# Altium PCB FSAES-22-E17 Temp Module PCB.PcbDoc (part 2 of 3)
Units mil, origin at the board's own origin, x right, y up, seen from the top; angles counter-clockwise.
Board outline 6776.17 x 2481.98 mil, 4 copper layers (Top Layer, Int 1 (GND), Int 2 (PWR), Bottom Layer), stack 53.912 mil thick; 312 components, 228 nets, 920 pads, 763 vias.
Unrouted connection lines stored in the file: 6.
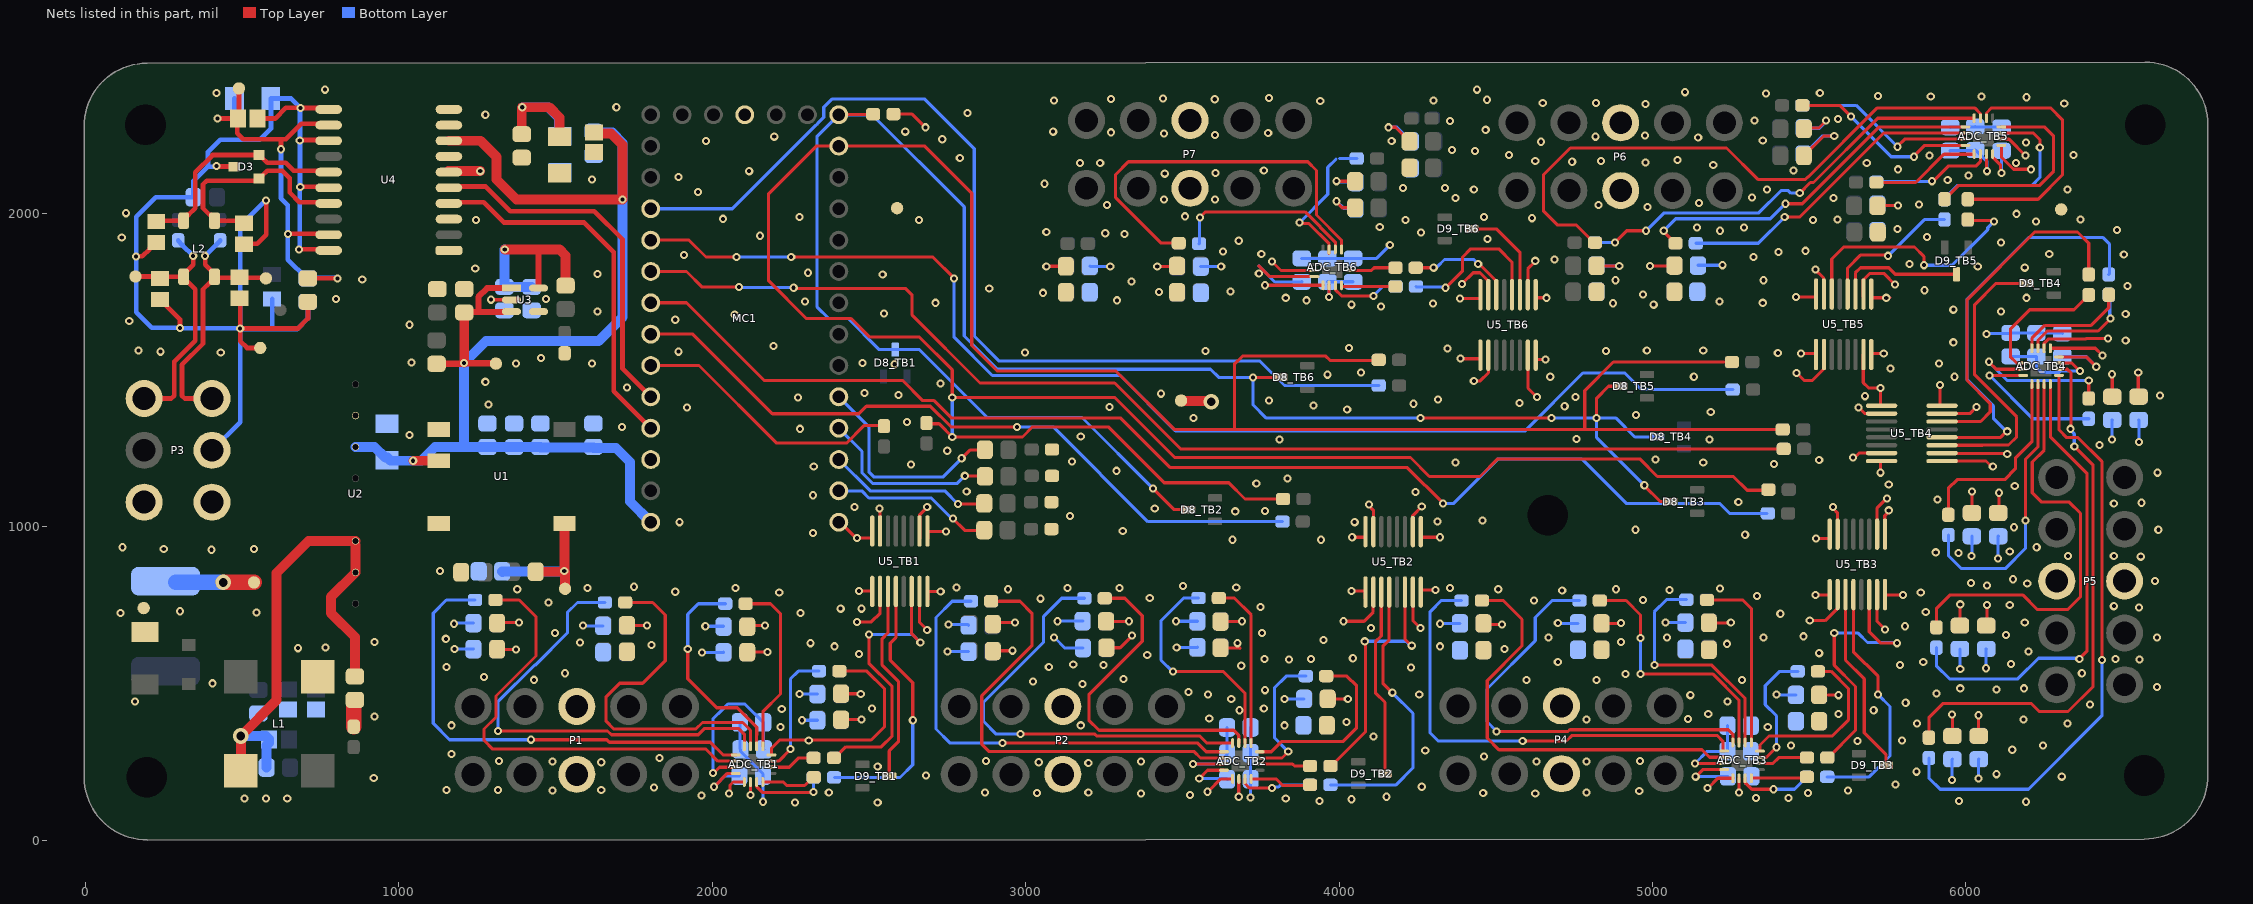
[diagram p4: the nets of this part, all layers, seen from the top]

## Via types
v1: diameter 25.98, hole 12.99, Top Layer to Bottom Layer, tented both sides, 606 vias
v2: diameter 25.98, hole 12.99, Top Layer to Bottom Layer, 151 vias
v3: diameter 50, hole 28, Top Layer to Bottom Layer, tented both sides, 6 vias

## Nets (pads, with @x,y where several pads share a name; then routed paths per layer and width w, separated by ;. In a path a pad name is that pad's centre, name@x,y a point inside that pad or via, vN(x,y) a via of type N, cw(c..) or ccw(c..) an arc to the next point about the centre after c; other vN are vias at no path point) (continued)
"0V (TMP)": "0V (TMP).1" ADC_TB1.9 ADC_TB2.9 ADC_TB3.9 ADC_TB4.9 ADC_TB5.9 ADC_TB6.9 C2.2 C29_TB1.2 C29_TB2.2 C29_TB3.2 C29_TB4.2 C29_TB5.2 C29_TB6.2 C30_TB1.2 C30_TB2.2 C30_TB3.2 C30_TB4.2 C30_TB5.2 C30_TB6.2 C31_TB1.2 C31_TB2.2 C31_TB3.2 C31_TB4.2 C31_TB5.2 C31_TB6.2 C32_TB1.2 C32_TB2.2 C32_TB3.2 C32_TB4.2 C32_TB5.2 C32_TB6.2 C33_TB1.2 C33_TB2.2 C33_TB3.2 C33_TB4.2 C33_TB5.2 C33_TB6.2 C34_TB1.2 C34_TB2.2 C34_TB3.2 C34_TB4.2 C34_TB5.2 C34_TB6.2 C35_TB1.2 C35_TB2.2 C35_TB3.2 C35_TB4.2 C35_TB5.2 C35_TB6.2 C36_TB1.2 C36_TB2.2 C36_TB3.2 C36_TB4.2 C36_TB5.2 C36_TB6.2 C37_TB1.1 C37_TB2.1 C37_TB3.1 C37_TB4.1 C37_TB5.1 C37_TB6.1 C38_TB1.1 C38_TB2.1 C38_TB3.1 C38_TB4.1 C38_TB5.1 C38_TB6.1 C39_TB1.1 C39_TB2.1 C39_TB3.1 C39_TB4.1 C39_TB5.1 C39_TB6.1 P1.5 P1.6 P2.5 P2.6 P4.5 P4.6 P5.5 P5.6 P6.5 P6.6 P7.5 P7.6 R4.1 U1.4 U5_TB1.9 U5_TB1.15 U5_TB2.9 U5_TB2.15 U5_TB3.9 U5_TB3.15 U5_TB4.9 U5_TB4.15 U5_TB5.9 U5_TB5.15 U5_TB6.9 U5_TB6.15 | length 4972.2
  Top Layer w10: C36_TB1.2@1313.9,608.97 1314.87,608 v1(1374,608) ; v1(2054,148) 2057.06,151.06 2057.06,175.42 2066.55,184.91 ADC_TB1.9@2102.47,184.91 ; C31_TB1.2@2111.86,598.97 2112.89,600 v1(2176,600) ; C30_TB1.2@2411.19,383.77 2411.42,384 v1(2476,384) ; v1(2468,794) 2508.66,794 2510.07,792.6 U5_TB1.9@2510.07,774 ; U5_TB1.15@2661.59,793.09 2661.59,694.41 v1(2686,670) ; C36_TB2.2@2895.38,602.97 2896.41,604 v1(2958,604) ; C33_TB2.2@3257.9,613.43 3301.43,613.43 v2(3340,652) ; v2(3580,154) 3582,154 3622.91,194.91 ADC_TB2.9@3660.47,194.91 ; C31_TB2.2@3621.86,612.97 3683.03,612.97 3684,612 ; v2(3764,1770) 3764.16,1769.84 ADC_TB6.9@3948.87,1769.84 ; v2(3991.99,2038) 3991.99,2035.98 4010.47,2017.5 C34_TB6.2@4051.06,2017.5 ; v1(4040,794) 4082.66,794 4083.81,792.85 U5_TB2.9@4083.81,771.54 ; U5_TB2.15@4235.59,791.09 4235.59,700.41 v1(4260,676) ; v1(4392,1774) 4428.01,1810.01 4449.81,1810.01 4477.01,1782.81 U5_TB6.15@4477.01,1728.46 ; U5_TB6.9@4628.19,1730 v1(4662,1730) ; v2(5176,166) 5178,166 5208.91,196.91 ADC_TB3.9@5256.47,196.91 ; C34_TB5.2@5482.93,2182.97 5545.96,2246 v2(5580,2246) ; v1(5520,782) 5563.88,782 5564.87,781 U5_TB3.9@5564.87,767.8 ; v1(5520,1820) 5546,1794 5546,1778.8 5546.1,1778.7 5546.1,1732.91 U5_TB5.15@5546,1732.82 ; U5_TB5.9@5698,1732 5698,1731.75 5699.75,1730 v1(5746,1730) 5746.46,1730.46 v1@5758.19,1730.46 ; U5_TB3.15@5716.8,783.09 5716.8,697.2 v1(5742,672) ; U5_TB4.9@5924,1209.21 6064.46,1209.21 6081.67,1192 v1(6086,1192) ; U5_TB4.15@5924,1360.39 6012.39,1360.39 v1(6034,1382) ; v2(6040,398) 6040,332.89 C36_TB4.2@6041.03,331.86 ; C33_TB4.2@6065.03,683.86 6068,686.83 v2(6068,750) ; C31_TB4.2@6103.27,1043.06 6106,1045.79 v2(6106,1108) ; ADC_TB5.9@6113.67,2216.39 6113.67,2178.33 6152,2140 v2(6208,2140) ; ADC_TB4.9@6269.53,1569.09 6412.91,1569.09 v2(6436,1546) ; v2(6550,1492) 6550,1415.37 C29_TB4.2@6551.03,1414.34
  Bottom Layer w10: v1(1178,610) 1237.06,610 C35_TB1.2@1238.1,608.97 ; v1(1968,598) 2035.13,598 C32_TB1.2@2036.1,598.97 ; C39_TB1.1@2088.13,375.03 2089.13,374.03 2089.13,290.03 C38_TB1.1@2090.13,289.03 2090.13,282.87 2161.87,211.13 C37_TB1.1@2161.87,204.97 2161.94,204.9 2161.94,122.06 v1(2162,122) ; v1(2286,382) 2335.2,382 C29_TB1.2@2335.43,381.77 ; v1@2748,598 v1(2750.97,600.97) C35_TB2.2@2818.14,600.97 ; v1(3090,646) 3092,646 3125.6,612.4 C34_TB2.2@3183.07,612.4 ; v1(3482,614) 3547.03,614 C32_TB2.2@3548,614.97 ; C39_TB2.1@3717.87,358.97 C38_TB2.1@3717.87,276.97 3717.95,276.89 3717.95,193.96 C37_TB2.1@3718.03,193.88 ; v1(3718,136) C37_TB2.1@3718.03,193.88 ; C37_TB6.1@3881.03,1855.87 C38_TB6.1@3963.03,1855.87 C39_TB6.1@4045.03,1855.87 4119.87,1855.87 v1(4162,1898) ; v2(3991.99,2038) 4014.55,2015.44 C33_TB6.2@4053.06,2015.44 ; C33_TB5.2@5482,2187.03 5540.97,2246 v2(5580,2246) ; C38_TB5.1@5950.04,2274.11 5951.04,2275.11 6029.04,2275.11 C39_TB5.1@6030.04,2276.11 6031.08,2275.07 6113.08,2275.07 C37_TB5.1@6114.12,2274.03 ; v2(6040,196) 6040,256.97 C35_TB4.2@6041.03,258 ; v2(6064,548) 6064,608.97 C34_TB4.2@6065.03,610 ; v2(6066,1614) 6067.94,1615.94 6141.1,1615.94 C38_TB4.1@6143.03,1617.87 C39_TB4.1@6225.03,1617.87 6225.57,1617.34 6307.43,1617.34 C37_TB4.1@6307.96,1616.8 ; v2(6102,898) 6102,967.94 C32_TB4.2@6103.27,969.2 ; C30_TB4.2@6551.03,1340.48 6552,1339.51 v2(6552,1270)
  other v1: 2264,120 2528,120 6192,122 3938,124 5978,124 4040,130 3830,132 5330,134 5434,134 4152,138 1966,142 3524,144 3368,148 4626,148 3036,150 4460,150 5496,150 2372,152 2870,152 3200,152 4790,152 4958,156 1490,158 5624,158 1152,160 1316,160 1646,160 1814,168 4264,170 5775.94,177.31 6306,202 2682,206 6098,210 5842,218 2528,234 3200,246 1646,248 3042,248 1490,250 3368,250 4630,250 4790,250 1320,252 2874,252 4960,252 1832,262 4462,266 1168,274 4275.04,285.8 6148,288 5442,302 6246,302 5654,316 5796,318 4110,330 2218,360 5368,360 1168,366 3176,366 3826,366 5844,372 6324,372 4024,376 4790,384 6184,384 5114,386 3586,388 5178,402 5594,402 5706,414 2222,418 2510,420 3760,420 6396,432 5808,438 5240,442 3656,450 5120.85,462 3582,464 4256,464 5906,468 3520,472 3764,478 6098,480 5982,484 6186,484 6610,488 3182,498 3024,506 4598,510 4822,510 5286,510 1431.82,511.19 3312,514 1272,520 4914,530 1530,532 6370,532 4230,550 1152,552 3074,552 3688,556 3248,558 5790,558 3152,560 6144,562 4698,568 5864,568 3840,576 6554,576 3762,578 3910,578 6478,578 4044,580 3388,590 2468,594 5532,596 6200,602 4528,610 2390,618 4322,618 1806,622 5238,626 2314,628 3676,628 1578,630 4900,632 3950,638 1150,642 4668,646 5046,646 5354,646 6610,646 5482,650 6128,654 1498,660 3754,660 4102,676 5806,682 6188,694 5408,722 2282,724 5872,728 2410,738 2476,738 6552,742 3750,744 6472,746 6140,750 1478,758 4622,764 4970,766 3048,770 3396,772 5334,778 2214,790 5856,790 1882,792 4712,796 5054,798 1378,800 2944,800 4508,800 4884,800 5216,802 1602,804 2074,804 3134,804 3300,804 4354,804 2780,806 3672,806 1750,808 3502,810 6068,812 6196,818 6016,820 6604,826 6150,832 1132,858 6558,904 6326,906 6472,906 5976,916 5904,918 6140,920 6226,934 6614,990 6154,998 6472,1074 6560,1076 5910,1086 6156,1130 6612,1172 6426,1260 6620,1418 5964,1478 5914,1520 5960,1588 6510,1594 6510,1678 6112,1686 5960,1692 4134,1702 4040,1708 5004,1708 4300,1712 4873.63,1712.58 5352,1714 5214,1718 3292,1722 3896,1722 3830,1730 6194,1730 4970,1740 3056,1746 3426,1748 3654,1750 5868,1754 6516,1768 3338,1782 4882,1786 5354,1786 6188,1826 6038,1830 5820,1838 4688,1852 5322,1860 6504,1868 3752,1870 6266,1870 5402,1876 3630,1878 5488,1880 6112,1906 3680,1912 4474,1918 5876,1924 3316,1934 3254,1936 4262,1938 3066,1940 5216,1944 6482,1946 5782,1950 5142,1954 5292,1954 4130,1956 6224,1974 4212,1978 5512,1978 5590,1980 6366,1980 4616,1984 4462,1988 3508,1990 6162,1998 4984,2020 3260,2026 4828,2026 5850,2028 5148,2032 3442,2044 3604,2044 4372,2048 5578,2048 5318,2050 4430,2076 5366,2076 6324,2076 4204,2080 4338,2080 3060,2094 5942,2106 6008,2120 3444,2126 3606,2128 3760,2136 5450,2136 5784,2140 5194,2154 3174,2160 3238,2160 5683.78,2160.08 6160,2160 4978,2162 4744,2164 4626,2166 4836,2166 5080,2170 5884,2184 4542,2186 6344,2186 4434,2198 4360,2202 6192,2226 4644,2228 4168,2230 5352,2232 5146,2242 4818,2244 4976,2248 3604,2250 3442,2254 3774,2256 3272,2258 3088,2260 4468,2266 4354,2294 5326,2296 5592,2300 4978,2348 6314,2350 4650,2352 4820,2352 3940,2358 3090,2360 4301.24,2359.93 4472,2362 3603.47,2363.48 3272,2364 3438,2366 3776,2368 6194,2370 5888,2372 6050,2372 5720,2374 5362,2382 5534,2384 5104,2386 4440,2394
"3.3V (ISO)": "3.3V (ISO).1" C4.1 C5.2 C14.1 C15.1 C28.1 MC1.3.3V_2 R8.2 RL_2.A U3.5 U4.6 U5_TB1.1 U5_TB1.7 U5_TB2.1 U5_TB2.7 U5_TB3.1 U5_TB3.7 U5_TB4.1 U5_TB4.7 U5_TB5.1 U5_TB5.7 U5_TB6.1 U5_TB6.7 | length 2600.4
  Top Layer w10: v1(2534,1058) 2534.88,1057.12 2534.88,964.58 U5_TB1.7@2537.01,962.46 ; R8.2@2578.48,2316 2638,2316 v1(2680,2274) ; U5_TB1.1@2688.19,961.75 2688.19,983.66 2688.53,984 v1(2746,984) ; v1(4096,1070) 4096,1065.67 4109.61,1052.07 U5_TB2.7@4109.61,984 4109.61,965.06 U5_TB2.7@4109.01,964.46 ; U5_TB2.1@4260.19,964.46 4261.73,966 v1(4322,966) ; v1@4388,1535.54 U5_TB6.1@4451.81,1535.54 ; U5_TB6.7@4602.39,1547.09 4602.99,1546.49 4602.99,1441.82 v1(4631.3,1413.52) ; v1(5474,1552) 5520.27,1552 5523.17,1549.1 U5_TB5.1@5523.17,1537.54 ; v1(5576,1062) 5576,1057.67 5590.82,1042.86 U5_TB3.7@5590.82,976 5590.82,958.35 U5_TB3.7@5590.03,957.56 ; v1(5640,1220) 5644.33,1220 5659.33,1235.01 U5_TB4.7@5753.54,1235.01 ; U5_TB5.7@5673.2,1549.09 5672.8,1548.69 5672.8,1459.2 5690,1442 v1(5728,1442) 5728,1387.34 5729.15,1386.19 U5_TB4.1@5753.54,1386.19 ; U5_TB3.1@5741.25,960.71 5741.25,1034.92 5754,1047.67 v1(5754,1052)
  Top Layer w19.68: U3.5@1446,1760.8 1446,1884
  Top Layer w31.5: U4.6@1158.02,2135 1259,2135 v1(1260,2134) ; v1(1338,1884) 1446,1884 1513.55,1884 1532,1865.55 RL_2.A@1532,1768.8 ; C15.1@1392.32,2252 1392.32,2336.32 v1(1394,2338) 1480,2338 1512.32,2305.69 C14.1@1512.32,2244.12 ; 3496,1400.49 3589.51,1400.49 v3(3592,1398)
  Bottom Layer w10: C4.1@1423.9,1764.9 C4.1@1424,1764.8
  Bottom Layer w31.5: v1@1337,1884 v1@1337,1883 ; v1(1338,1884) v1@1337,1883 ; v1(1394,2338) 1478,2338 1511.45,2304.55 1511.45,2248.99 C28.1@1514.32,2246.12 ; C4.1@1423.9,1764.9 1337.1,1764.9 C5.2@1337,1765 v1@1337,1883
  other v1: 4388,1536
"5V (CAN)": "5V (CAN).1" C16.1 C17.1 C19.2 C21.1 U4.12 U4.19 | length 1427.2
  Top Layer w15: v1(422,2302) 480.24,2302 490,2311.76 490,2382 ; C19.2@484.5,2302 484.5,2255.5 504,2236 624,2236 ; v1(624,2204) 624,2236 ; v1(646,1934) 646.5,1934.5 773.52,1934.5 U4.19@774.02,1935 ; C17.1@709.03,1792 C17.1@710,1792 v1(804,1792) ; U4.12@774.02,2285 689,2285 640,2236 624,2236
  Bottom Layer w15: v1(422,2302) 464,2302 475.76,2313.76 C16.1@475.76,2366 ; v1(624,2204) 624,2048 646,2026 v1(646,1934) 646,1851.87 C21.1@706,1791.87 ; C21.1@695.03,1791.87 C21.1@706,1791.87 ; C21.1@735.9,1792.94 707.06,1792.94 C21.1@706,1791.87 ; C21.1@738,1794 802,1794 v1(804,1792)
"5V (ISO)": "5V (ISO).1" C1.1 C3.2 C8.1 C9.2 C10.2 C18.1 C20.2 C27.1 MC1.VIN RL_1.A U1.2 U2.6 U3.1 U3.3 U4.8 | length 4350
  Top Layer w19.68: RL_1.A@1121.11,1518.76 RL_1.A@1120.35,1519.53 v1@1203.82,1519.53 ; v1@1209,1521 1309,1521 1310,1520 ; C3.2@1210.43,1684.54 1254,1684.54 ; U3.3@1339.26,1684.54 1254,1684.54 ; U3.3@1339.26,1686 U3.3@1359.36,1686 ; U3.1@1359.36,1760.8 1281.93,1760.8 1254,1732.87 1254,1684.54
  Top Layer w31.5: v1(1046,1210) U1.2@1135.57,1210 ; U4.8@1160.02,2231 1261,2231 1312,2180 1312,2108 1376,2044 v1(1714,2044) 1714,2218 1677.39,2254.61 1635.11,2254.61 1632.23,2257.5 C20.2@1622.32,2257.5 ; v1@1208.97,1522.97 C3.2@1208.97,1677.07 ; C3.2@1208.97,1683.07 C3.2@1210.43,1684.54
  Bottom Layer w31.5: U2.6@862,1254 922.94,1254 956.94,1220 963.88,1220 973.88,1210 1072,1210 1116,1254 1208,1254 ; C10.2@1452,1252.07 1620.97,1252.07 1621.78,1251.26 1692.74,1251.26 1738,1206 1738,1080 MC1.VIN@1804,1014 ; C10.2@1452.03,1254.07 1452,1254.04 C9.2@1368,1254 C9.2@1368,1254 1367.94,1254.06 C1.1@1282.97,1254.13 C1.1@1282.97,1254.13 1282.84,1254 1208,1254 ; C18.1@1622.32,2260 1625.32,2256.99 1681.48,2256.99 1714,2224.47 v1(1714,2044) 1714,1668 1638,1592 1278,1592 v1(1208,1522) 1208,1254
  other v1: 1454,1538
12V/24V: 7.A C7.1 C13.2 L1.2 U2.2 U2.3 | length 1642.2
  Top Layer w31.5: L1.2@496.12,221 496,221.12 v3(496,332) 610,446 610,852 712,954 U2.3@862,954 ; 7.A@859.97,521.87 860.2,522.11 860.2,647.2 784,723.4 784,776 U2.2@862,854 862,942
  Bottom Layer w31.5: v3(496,332) 496.07,332.07 576.16,332.07 586,322.22 C13.2@586,321 ; C7.1@578.13,231.03 578.13,302.3 585.41,309.58 585.41,317.46 C13.2@586,318.05
  other v1: 678,612
AVDD_TB1: "5V (TMP).1" ADC_TB1.7 ADC_TB1.10 ADC_TB2.7 ADC_TB2.10 ADC_TB3.7 ADC_TB3.10 ADC_TB4.7 ADC_TB4.10 ADC_TB5.7 ADC_TB5.10 ADC_TB6.7 ADC_TB6.10 C2.1 C38_TB1.2 C38_TB2.2 C38_TB3.2 C38_TB4.2 C38_TB5.2 C38_TB6.2 C39_TB1.2 C39_TB2.2 C39_TB3.2 C39_TB4.2 C39_TB5.2 C39_TB6.2 R13_TB1.2 R13_TB2.2 R13_TB3.2 R13_TB4.2 R13_TB5.2 R13_TB6.2 R15_TB1.2 R15_TB2.2 R15_TB3.2 R15_TB4.2 R15_TB5.2 R15_TB6.2 R17_TB1.2 R17_TB2.2 R17_TB3.2 R17_TB4.2 R17_TB5.2 R17_TB6.2 R21_TB1.2 R21_TB2.2 R21_TB3.2 R21_TB4.2 R21_TB5.2 R21_TB6.2 R25_TB1.2 R25_TB2.2 R25_TB3.2 R25_TB4.2 R25_TB5.2 R25_TB6.2 R27_TB1.2 R27_TB2.2 R27_TB3.2 R27_TB4.2 R27_TB5.2 R27_TB6.2 R30_TB1.2 R30_TB2.2 R30_TB3.2 R30_TB4.2 R30_TB5.2 R30_TB6.2 R35_TB1.2 R35_TB2.2 R35_TB3.2 R35_TB4.2 R35_TB5.2 R35_TB6.2 RL_3.A U1.5 U5_TB1.10 U5_TB1.16 U5_TB2.10 U5_TB2.16 U5_TB3.10 U5_TB3.16 U5_TB4.10 U5_TB4.16 U5_TB5.10 U5_TB5.16 U5_TB6.10 U5_TB6.16 | length 7661.9
  Top Layer w10: R35_TB1.2@1313.9,692 1315.9,694 v1(1384,694) ; R25_TB1.2@1727.9,684.97 1728.87,684 v1(1792,684) ; v2(2002,214) 2005.27,214 2023.43,232.16 ADC_TB1.7@2074.91,232.16 ; R17_TB1.2@2111.86,680.97 2114.89,684 v1(2168,684) ; v2(2122,144) 2122.16,144.16 ADC_TB1.10@2122.16,184.91 ; R15_TB1.2@2411.19,466.8 2471.2,466.8 2472,466 v2(2474,466) ; v2(2462,696) 2508,696 2535.61,723.61 U5_TB1.10@2535.61,793.09 ; U5_TB1.16@2688.19,767.75 2688.19,792.44 2688.53,792.78 v1(2729.09,792.78) ; R35_TB2.2@2895.38,688.97 2900.41,694 v1(2966,694) ; v2(3066,1830) 3068,1830 3068.47,1830.47 R13_TB6.2@3128.19,1830.47 ; R25_TB2.2@3256.79,697.43 3329.43,697.43 v2(3330,698) ; v2(3420,1830) 3481.73,1830 R17_TB6.2@3483.23,1831.5 ; v2(3534,242) 3534.08,242.08 3632.83,242.08 ADC_TB2.7@3632.91,242.16 ; R17_TB2.2@3621.86,696.97 3688.97,696.97 v2(3690,698) ; v2(3680,138) 3680.16,138.16 ADC_TB2.10@3680.16,194.91 ; v2(3786,1846) 3814.91,1817.09 ADC_TB6.7@3921.31,1817.09 ; R15_TB2.2@3964,450 v2(4028,450) ; v2(3968,1732) 3968,1736 3968.56,1736.56 ADC_TB6.10@3968.56,1769.84 ; v2(3992,2102) 4050.56,2102 R27_TB6.2@4051.06,2101.5 ; v2(4014,698) 4080,698 4107.12,725.12 4107.12,725.32 4108.88,727.09 4108.88,790.36 U5_TB2.10@4109.61,791.09 ; v2(4158,2274) 4180.12,2274 R35_TB6.2@4225.09,2229.03 ; U5_TB2.16@4260.19,771.54 4260.19,795.17 4262.53,797.51 v1(4307.88,797.51) ; v1(4386,1728) 4451.35,1728 U5_TB6.16@4451.81,1728.46 ; R35_TB3.2@4460.93,690.97 4463.9,688 v2(4520,688) ; U5_TB6.10@4602.39,1740 4602.39,1822.39 4626,1846 v2(4626,1848) ; R13_TB5.2@4821.86,1832 v2(4894,1832) ; R25_TB3.2@4837.9,690.97 4896.97,690.97 4898,692 v2(4900,692) ; v2(4992,1832) 5068.97,1832 R17_TB5.2@5070,1833.03 ; v2(5136,244) 5136.16,244.16 ADC_TB3.7@5228.91,244.16 ; R17_TB3.2@5179.86,692.97 5240.97,692.97 5242,694 v2(5250,694) ; v2(5276,152) 5276.16,152.16 ADC_TB3.10@5276.16,196.91 ; v1(5458,1732) U5_TB5.16@5521.62,1732 ; R27_TB5.2@5482.93,2268.97 5485.96,2272 5531.34,2272 5554,2294.66 v2(5554,2296) ; v2(5502,700) 5551.14,700 5590.82,739.68 U5_TB3.10@5590.82,783.09 ; R15_TB3.2@5531.52,462.97 5593.03,462.97 v2(5594,462) ; U5_TB5.10@5672.8,1732 5672.8,1785.94 5675.09,1788.22 5675.09,1789.09 5694,1808 5738,1808 v1(5774,1772) ; R30_TB5.2@5718,2022.97 5719.03,2024 v2(5784,2024) ; U5_TB3.16@5741.97,772.82 5741.97,780.23 5743.75,782 v1(5800,782) ; v1(5918,1452) 5918,1387.34 5919.15,1386.19 U5_TB4.16@5954.46,1386.19 ; U5_TB4.10@5924,1234.41 5924.72,1233.69 6130.31,1233.69 v1(6132,1232) ; v2(5956,400) 5956,398 5957.03,396.97 R35_TB4.2@5957.03,331.86 ; R25_TB4.2@5981.03,683.86 5981.03,747.03 5982,748 v2(5982,752) ; R17_TB4.2@6019.27,1043.06 6019.27,1111.26 v2(6020,1112) ; ADC_TB5.7@6065.84,2188.91 6065.92,2188.83 6065.92,2136.08 v2(6068,2134) ; ADC_TB5.10@6113.09,2236.16 6113.17,2236.08 6137.92,2236.08 v2(6190,2184) ; ADC_TB4.10@6249.84,1569.09 6249.84,1585.09 6262.76,1598 6382,1598 6384,1600 v2(6454,1600) ; ADC_TB4.7@6297.09,1521.84 6338.16,1521.84 v2(6364,1496) ; v2(6466,1486) 6467.03,1484.97 R13_TB4.2@6467.03,1414.34
  Top Layer w31.5: RL_3.A@1446.64,856 1526,856 v1(1528,858) ; U1.5@1528.79,1010 1528.79,858.79 v1(1528,858) ; 1530.49,801.51 1530.49,855.51 v1(1528,858)
  Bottom Layer w10: v2(1176,690) 1178,692 R30_TB1.2@1238.1,692 ; v2(1588,684) 1589.03,682.97 R27_TB1.2@1652.1,682.97 ; v1(1978,682) 2035.06,682 R21_TB1.2@2036.1,680.97 ; v2(2002,214) 2002,320 2002.16,320.16 2002.16,386.16 2032,416 2050,434 2103.96,434 2163.93,374.03 2163.93,290.03 C38_TB1.2@2164.93,289.03 ; v2(2278,466) 2278.23,465.77 R13_TB1.2@2335.43,465.77 ; v2(2754,688) 2815.11,688 R30_TB2.2@2818.14,684.97 ; v2(3102,698) 3102.4,698.4 R27_TB2.2@3182.09,698.4 ; R15_TB6.2@3204.94,1831.5 3206.45,1830 v2(3270,1830) ; v2(3480,698) 3480.06,697.94 R21_TB2.2@3548,697.94 ; v2(3534,242) 3612.04,242 3643.07,273.03 C39_TB2.2@3643.07,358.97 ; R21_TB6.2@3558.94,1829.5 3559.44,1830 v2(3624,1830) ; v2(3825.99,450) R13_TB2.2@3888.24,450 ; v2(3968,1732) 3968,1776.1 C38_TB6.2@3963.03,1781.07 C39_TB6.2@4045.03,1781.07 ; v2(3992,2102) 3994.56,2099.44 R25_TB6.2@4053.06,2099.44 ; v2(4158,2274) 4184.17,2274 R30_TB6.2@4229.2,2228.97 ; v2(4322,690) 4330,690 4330.97,690.97 R30_TB3.2@4385.61,690.97 ; v2(4698,692) 4699.03,690.97 R27_TB3.2@4762.58,690.97 ; R15_TB5.2@4821.86,1833.03 4822.89,1832 v2(4894,1832) ; v2(5042,694) 5042.06,693.94 R21_TB3.2@5104.94,693.94 ; v2(5136,244) 5174.97,282.97 C38_TB3.2@5239.07,282.97 C39_TB3.2@5239.07,364.97 ; R21_TB5.2@5144.93,1833.03 5145.9,1834 v2(5224,1834) ; v2(5395.99,464) 5397.02,462.97 R13_TB3.2@5458.14,462.97 ; R25_TB5.2@5482,2271.03 5532.31,2271.03 5554,2292.72 v2(5554,2296) ; R35_TB5.2@5718,2027.03 5721.03,2024 v2(5784,2024) ; C38_TB5.2@5950.04,2199.31 5951.04,2200.31 6029.04,2200.31 C39_TB5.2@6030.04,2201.31 6031.01,2201.31 6068,2164.31 v2(6068,2134) ; v2(5956,192) 5956,256.97 R30_TB4.2@5957.03,258 ; R27_TB4.2@5981.03,610 5981.03,546.97 v2(5982,546) ; v2(6018,906) 6019.27,907.27 R21_TB4.2@6019.27,969.2 ; C38_TB4.2@6143.03,1543.07 C39_TB4.2@6225.03,1543.07 6225.03,1507.28 6240,1492.32 6297.99,1492.32 6301.68,1496 v2(6364,1496) ; v2(6466,1278) 6466,1339.45 R15_TB4.2@6467.03,1340.48
  Bottom Layer w31.5: C2.1@1331.36,855.48 C2.1@1329.87,856.97 1526.97,856.97 v1(1528,858)
C1: MC1.21 R22_TB1.1 | length 868.5
  Top Layer w10: MC1.21@1804,1514 1958,1514 2205.52,1266.48 2428.34,1266.48 2483.86,1322 R22_TB1.1@2546.97,1322
C2: MC1.20 R22_TB2.1 | length 2283.1
  Top Layer w10: MC1.20@1804,1614 1938,1614 2192,1360 2468,1360 2492.01,1384.01 2695.99,1384.01 2762,1318 v1(2972,1318)
  Bottom Layer w10: v1(2972,1318) 3088,1318 3390,1016 R22_TB2.1@3819.52,1016
C3: MC1.19 R22_TB3.1 | length 3958
  Top Layer w10: MC1.19@1804,1714 1918,1714 2166,1466 2608,1466 2671.99,1402.01 2707.99,1402.01 2764,1346 3304,1346 3462,1188 4218,1188 v1(4332,1074)
  Bottom Layer w10: v1(4332,1074) 4366,1074 4508,1216 4774,1216 4916,1074 5214,1074 5246,1042 R22_TB3.1@5366,1042
C4: MC1.18 R22_TB4.1 | length 3886.3
  Top Layer w10: MC1.18@1804,1814 1918,1814 1968,1764 v1(2086,1764) ; v1(2260,1762) 2262,1760 2616,1760 2638,1738 2638,1674.62 2854.62,1458 3284,1458 3494.06,1247.94 R22_TB4.1@5418.71,1247.94
  Bottom Layer w10: v1(2086,1764) 2087,1763 2259,1763 v1(2260,1762)
C5: MC1.17 R22_TB5.1 | length 3912.2
  Top Layer w10: MC1.17@1804,1914 1926,1914 1980,1860 v1(2078,1860) ; v1(2252,1860) 2704,1860 v1(2772,1792)
  Bottom Layer w10: v1(2078,1860) v1(2252,1860) ; v1(2772,1792) 2772,1604 2894,1482 3302,1482 3478,1306 4594,1306 4778,1490 4912,1490 4964.79,1437.21 R22_TB5.1@5256.19,1437.21
C6: MC1.16 R22_TB6.1 | length 3215.2
  Bottom Layer w10: MC1.16@1804,2014 2064,2014 2329.08,2279.08 ccw(c2304,2314) 2338.92,2288.92 2356,2306 2356,2338 2382,2364 2678,2364 2836,2206 2836,1608 2916,1528 3748,1528 3825.86,1450.14 R22_TB6.1@4126.55,1450.14
CAN_CMF_N: C25.2 D3.2 L2.4 U4.15 | length 697.7
  Top Layer w15: C25.2@226,1973.46 228.54,1976 L2.4@313.57,1976 ; L2.4@323.69,1989 323.69,1994.24 328.93,1994.24 350.29,2015.6 350.29,2130.02 405.66,2185.4 D3.2@553.37,2185.4 ; D3.2@563.59,2177.15 580.24,2160.5 638.86,2160.5 664.36,2135 U4.15@774.02,2135
CAN_CMF_P: C26.2 D3.1 L2.3 U4.17 | length 686.1
  Top Layer w15: L2.3@401.89,1989 401.89,1994.24 396.65,1994.24 375.29,2015.6 375.29,2091.56 387.28,2103.55 546.32,2103.55 D3.1@553.37,2110.6 ; L2.3@412,1976 497.46,1976 C26.2@506,1967.46 ; D3.1@563.59,2118.85 580.24,2135.5 628.5,2135.5 652,2112 652,2066 683,2035 U4.17@774.02,2035
CAN_N: C24.2 CANL1.1 L2.1 P3.3 R7.1 | length 797.7
  Top Layer w15: CANL1.1@174.59,1798 231.46,1798 C24.2@238,1791.46 243.4,1796.87 L2.1@313.57,1796.87 313.57,1805.57 344,1836 v1(344,1864) ; P3.3@187.46,1408.71 274.45,1408.71 283.23,1417.5 283.23,1526.59 350.29,1593.64 350.29,1757.27 L2.1@323.69,1783.87
  Bottom Layer w15: R7.1@296,1913.52 296,1911.83 309.45,1898.38 309.62,1898.38 v1(344,1864)
CAN_P: C23.2 CANH1.1 L2.2 P3.6 R5.2 | length 821.7
  Top Layer w15: v1(382,1864) 382,1834.99 412,1804.99 L2.2@412,1796.87 414.43,1794.43 C23.2@490.97,1794.43 ; L2.2@401.89,1783.87 401.89,1778.63 396.65,1778.63 375.29,1757.27 375.29,1583.29 308.23,1516.23 308.23,1417.5 317.02,1408.71 P3.6@404,1408.71 ; C23.2@492,1794.43 573.57,1794.43 CANH1.1@576,1792
  Bottom Layer w15: v1(382,1864) 416.38,1898.38 416.55,1898.38 430,1911.83 R5.2@430,1913.52
CANS: C16.2 C17.2 C19.1 C21.2 C22.2 C23.1 C24.1 C25.1 C26.1 CANS1.1 D3.3 P3.5 R6.1 U4.11 U4.13 U4.16 U4.20 | length 4653.2
  Top Layer w15: v1(162,1862) 162.36,1862.36 181.83,1862.36 204.96,1885.49 204.96,1889.43 222.06,1906.54 C25.1@226,1906.54 ; C24.1@238,1724.54 241.94,1724.54 259.04,1707.43 259.04,1703.49 302,1660.54 v1(302,1634) ; v1(418,2150) 419,2149 471.7,2149 D3.3@472.7,2148 ; C23.1@492.43,1728.15 494,1726.58 v1(494,1632) ; C26.1@506,1900.54 507.72,1902.26 548.26,1902.26 577.51,1931.51 577.51,2038.49 v1(576,2040) ; C19.1@549.5,2302 606,2302 640,2336 v1(686,2336) 686.5,2335.5 773.48,2335.5 U4.11@773.98,2335 ; CANS1.1@558,1570 516,1570 494,1592 v1(494,1632) ; v1(682,1884) 682.5,1884.5 773.52,1884.5 U4.20@774.02,1885 ; v1(684,2232) 685.5,2233.5 772.52,2233.5 U4.13@774.02,2235 ; v1@686.11,2084.5 773.52,2084.5 U4.16@774.02,2085 ; C17.2@710,1717.2 710,1664 678,1632 v1(494,1632)